# KiCad board vme-wren.kicad_pcb (continued)
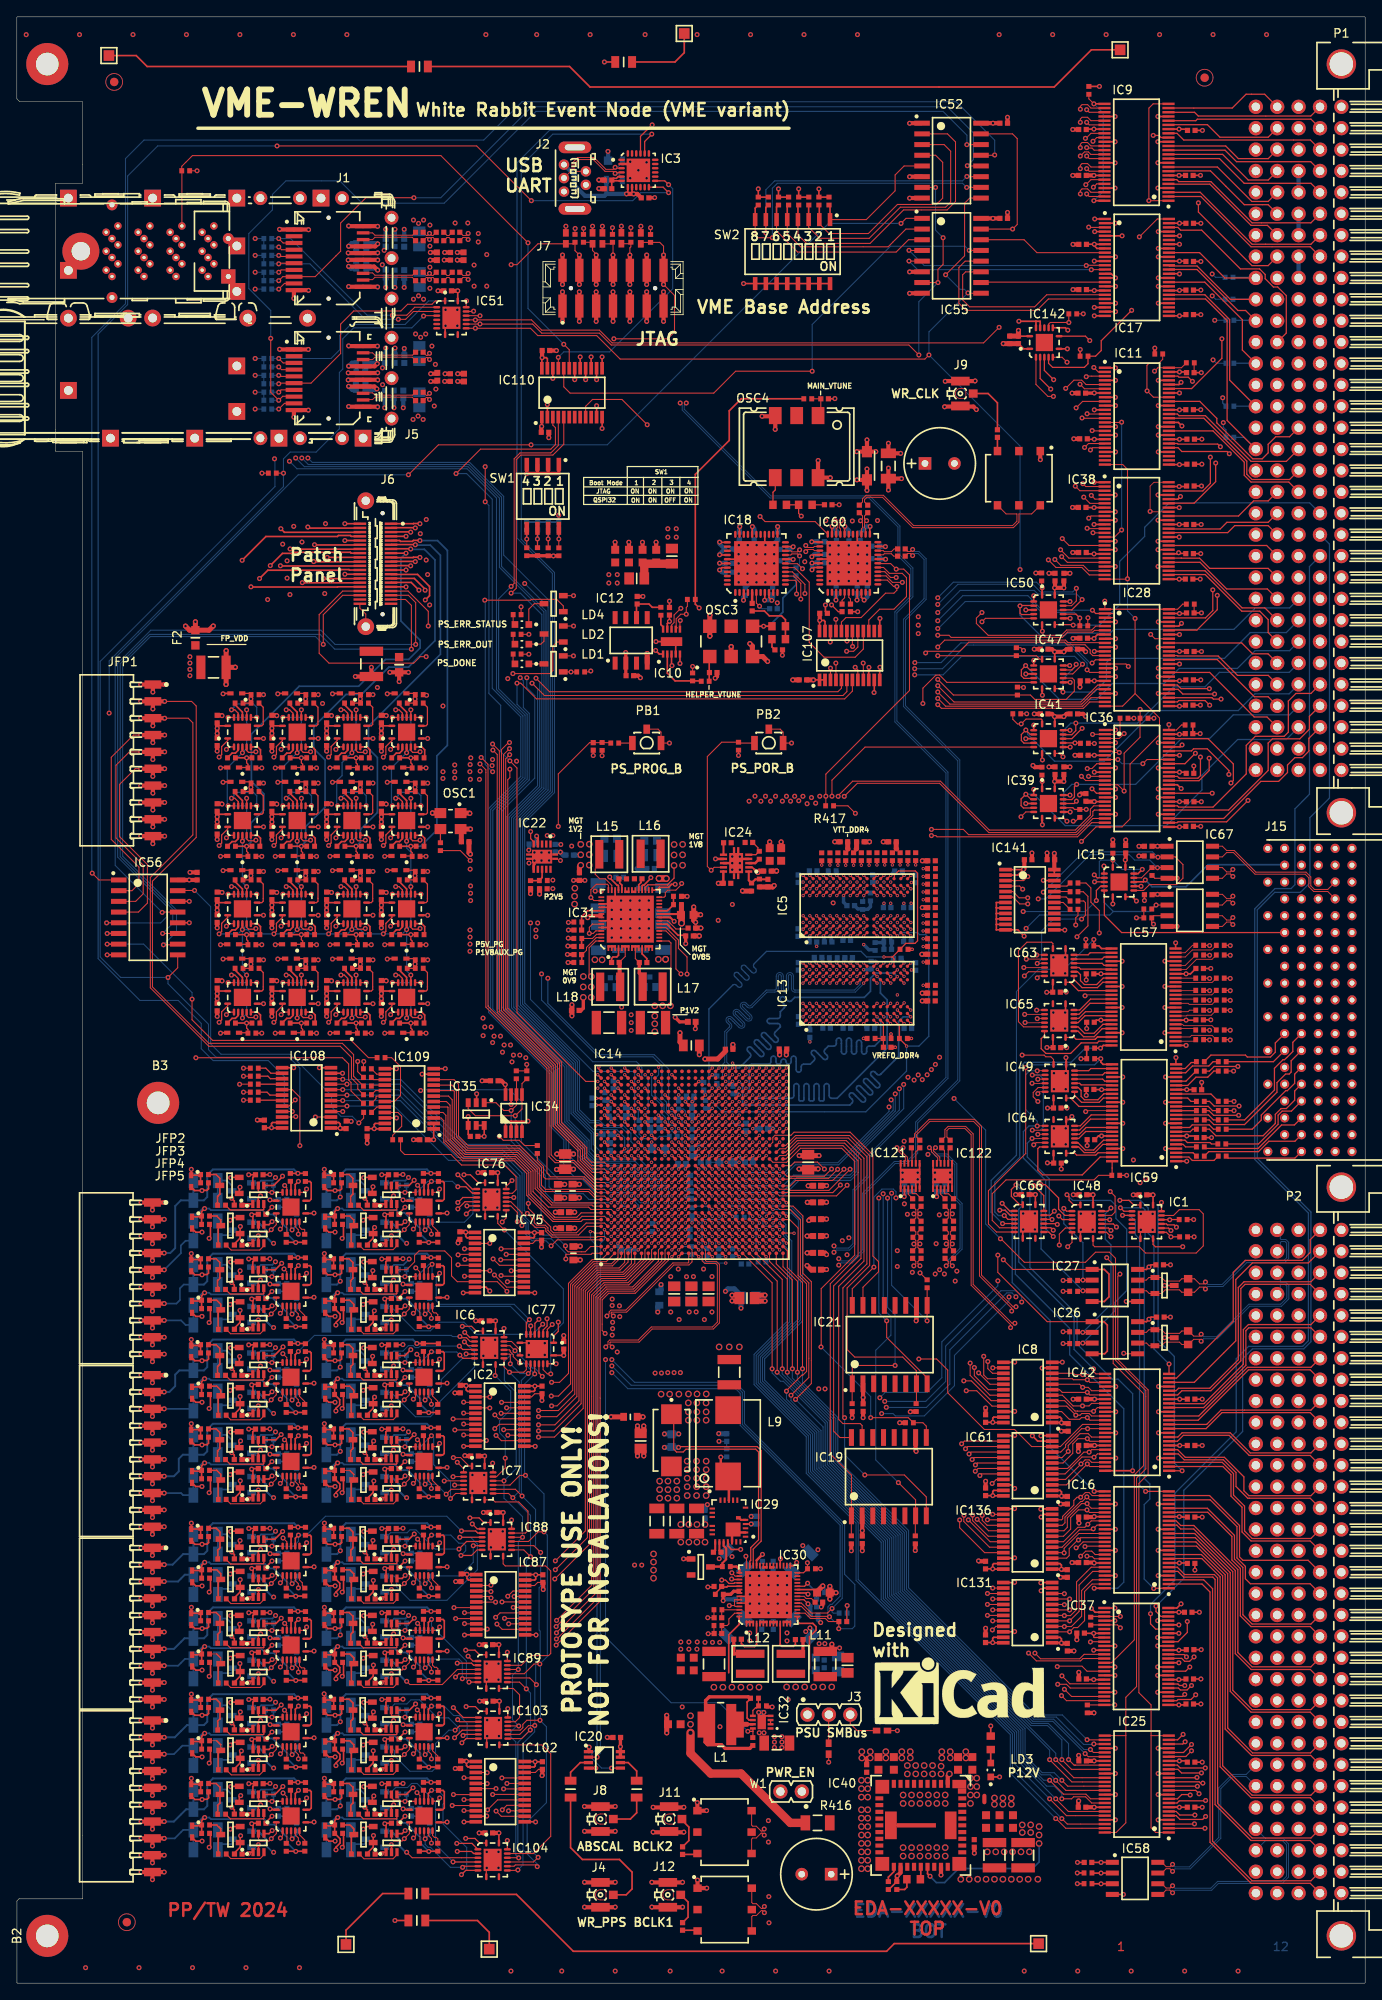
[diagram p0: board, top side]
## Routing (per net, layer and track width the routed paths; a pad name or vN(x,y) marks a point on that pad's centre or on a via; arc(x,y) is an arc through that point) (continued)
  Bottom Layer w0.15: v2(119.81,108.71) 120.14,109.04 128,109.04 v2(128.73,109.76)
/vme_interface/F_HWBYTE.L1_0: length 11.4
  Top Layer w0.15: IC65.15 122.05,112.53 121.65,112.14 121.65,110.95 122.22,110.39 125.15,110.39 126.4,111.64 128.3,111.64 128.51,111.84 IC123.47
/vme_interface/F_HWBYTE.L1_1: length 7.7
  Top Layer w0.15: 128.06,112.07 128.34,112.34 ; 128.06,112.07 128.34,112.34 ; 128.06,112.07 125.8,112.07 125.57,112.29 IC65.1 ; 128.34,112.34 IC123.46 128.34,112.34
/vme_interface/F_HWBYTE.L1_2: length 6.2
  Top Layer w0.15: 128.91,113.34 IC123.44 128.91,113.34 ; 128.91,113.34 127.94,112.37 126.69,112.37 126.02,113.04 IC65.2
/vme_interface/F_HWBYTE.L1_3: length 6.2
  Top Layer w0.15: 128.99,113.84 IC123.43 128.99,113.84 ; 128.99,113.84 127.93,112.79 126.79,112.79 126.04,113.54 IC65.3
/vme_interface/F_HWBYTE.L1_4: length 4.9
  Top Layer w0.15: 129.98,114.87 IC123.41 129.98,114.87 ; 129.98,114.87 126.86,114.87 126.03,114.04 IC65.4
/vme_interface/F_HWBYTE.L1_5: length 4.8
  Top Layer w0.15: IC123.40 126.91,115.34 126.11,114.54 IC65.5
/vme_interface/F_HWBYTE.L1_6: length 5
  Top Layer w0.15: IC65.6 126.14,115.04 127.44,116.34 IC123.38
/vme_interface/F_HWBYTE.L1_7: length 5
  Top Layer w0.15: IC65.7 126.22,115.54 127.52,116.84 IC123.37
/vme_interface/F_HWBYTE.L1_OE_N: length 33.8
  Top Layer w0.15: v2(117.26,91.14) 117.71,90.69 IC66.4
  Top Layer w0.2: R133.1 v2(128.7,111.01) 129.03,111.34 IC123.48
  Bottom Layer w0.15: v2(128.7,111.01) 128.7,111.01 126.89,111.01 125.21,109.34 119.69,109.34 119.11,108.76 119.11,98.06 116.14,95.09 116.14,91.56 116.56,91.14 v2(117.26,91.14)
/vme_interface/F_HWBYTE.L2_0: length 13.4
  Top Layer w0.15: IC59.47 128.66,98.09 126.53,95.96 121.83,95.96 121.25,96.54 121.25,99.09 121.46,99.29 IC64.15
/vme_interface/F_HWBYTE.L2_1: length 5.7
  Top Layer w0.15: IC64.1 125.64,98.54 125.87,98.32 128.14,98.32 128.41,98.59 IC59.46
/vme_interface/F_HWBYTE.L2_2: length 5.1
  Top Layer w0.15: IC59.44 128.99,99.59 128.01,98.62 126.77,98.62 126.09,99.29 IC64.2
/vme_interface/F_HWBYTE.L2_3: length 5.3
  Top Layer w0.15: IC59.43 129.06,100.09 127.89,98.92 126.89,98.92 126.02,99.79 IC64.3
/vme_interface/F_HWBYTE.L2_4: length 4.8
  Top Layer w0.15: IC59.41 130.05,101.12 126.93,101.12 126.11,100.29 IC64.4
/vme_interface/F_HWBYTE.L2_5: length 4.8
  Top Layer w0.15: IC59.40 126.98,101.59 126.18,100.79 IC64.5
/vme_interface/F_HWBYTE.L2_6: length 5
  Top Layer w0.15: IC64.6 126.22,101.29 127.52,102.59 IC59.38
/vme_interface/F_HWBYTE.L2_7: length 5
  Top Layer w0.15: IC64.7 126.29,101.79 127.59,103.09 IC59.37
/vme_interface/F_HWBYTE.L2_OE_N: length 23
  Top Layer w0.125: R171.1 128.47,95.91 127.93,95.38 117.48,95.38 115.84,93.74 115.84,90.56 116.71,89.69 IC66.6
  Top Layer w0.15: 130.1,95.89 130.08,95.91 IC59.48
/vme_interface/HWBYTE.H1_0: length 28
  Top Layer w0.15: R221.2 144.07,117.87 v2(144.11,117.84)
  L8 w0.15: J15.B19 155.31,99.99 150.25,99.99 146.5,103.74 146.5,115.44 v2(144.11,117.84)
/vme_interface/HWBYTE.H1_1: length 31.7
  Top Layer w0.15: R224.2 141.62,117.87 v2(141.66,117.84)
  L5 w0.15: v2(141.66,117.84) 142.18,118.37 147.84,118.37 149.76,116.45 149.76,108.39 150.41,107.74 150.66,107.74 151.34,107.06 151.34,106.73 152.56,105.51 154.88,105.51 154.91,105.49 156.22,105.49 156.24,105.51 156.88,105.51 157.36,105.04 157.36,101.53 J15.B18
/vme_interface/HWBYTE.H1_2: length 35.4
  Top Layer w0.15: R225.2 144.07,119.32 v2(144.11,119.29)
  L5 w0.15: J15.B17 155.79,101.96 155.79,100.42 156.24,99.96 156.88,99.96 157.66,100.73 157.66,105.17 157.01,105.81 153.81,105.81 153.34,106.28 153.34,107.06 152.63,107.77 151.99,107.77 151.34,108.42 151.34,117.06 150.43,117.97 150.24,117.97 149.79,118.42 149.79,118.66 148.93,119.51 145.41,119.51 145.18,119.29 v2(144.11,119.29)
/vme_interface/HWBYTE.H1_3: length 29.1
  Top Layer w0.15: R228.2 141.62,119.32 v2(141.66,119.29)
  L5 w0.15: v2(141.66,119.29) 141.13,118.77 141.13,117.62 141.44,117.32 147.13,117.32 149.46,114.99 149.46,106.74 150.53,105.67 150.73,105.67 151.34,105.06 151.34,104.86 152.36,103.84 155.67,103.84 J15.B16
/vme_interface/HWBYTE.H1_4: length 24.9
  Top Layer w0.15: R229.2 144.07,122.07 v2(144.11,122.04)
  L5 w0.15: J15.B15 155.79,107.51 153.83,107.51 153.34,108.01 153.34,109.06 152.43,109.96 152.23,109.96 151.64,110.56 151.64,118.76 150.58,119.81 146.33,119.81 v2(144.11,122.04)
/vme_interface/HWBYTE.H1_5: length 28.3
  Top Layer w0.15: v2(141.66,122.04) 141.62,122.07 R230.2
  L5 w0.15: J15.B14 155.79,107.96 154.21,107.96 153.64,108.53 153.64,112.66 153.36,112.94 153.36,119.04 152.88,119.51 152.67,119.51 151.41,120.77 151.41,120.99 150.88,121.51 145.38,121.51 144.33,122.57 142.18,122.57 v2(141.66,122.04)
/vme_interface/HWBYTE.H1_6: length 22.6
  Top Layer w0.15: v2(144.11,123.19) 144.07,123.22 R231.2
  L5 w0.15: v2(144.11,123.19) 145.61,123.19 146.98,121.81 152.58,121.81 153.66,120.74 153.66,114.59 154.25,113.99 154.41,113.99 155.79,112.61 155.79,111.51 J15.B13
/vme_interface/HWBYTE.H1_7: length 24.9
  Top Layer w0.15: v2(141.66,123.19) 141.62,123.22 R232.2
  L5 w0.15: v2(141.66,123.19) 142.18,123.72 152.65,123.72 153.31,123.05 153.31,122.43 153.75,121.99 154.37,121.99 155.71,120.66 155.71,113.6 J15.B12
/vme_interface/HWBYTE.H2_0: length 11.6
  Top Layer w0.15: R116.2 141.58,103.59 142.13,103.04 v2(145.11,103.04)
  L3 w0.15: v2(145.11,103.04) 146.26,103.04 J15.E19
/vme_interface/HWBYTE.H2_1: length 8.1
  Top Layer w0.15: R249.2 144.55,103.59 v2(144.56,103.59)
  L3 w0.15: v2(144.56,103.59) 146.62,103.59 149.47,100.74 J15.E18
/vme_interface/HWBYTE.H2_2: length 10.3
  Top Layer w0.15: v2(145.16,104.14) 142.2,104.14 141.64,104.69 R250.2
  L3 w0.15: v2(145.16,104.14) 149.16,104.14 J15.E17
/vme_interface/HWBYTE.H2_3: length 7
  Top Layer w0.15: v2(144.56,104.69) 144.55,104.7 R252.2
  L3 w0.15: v2(144.56,104.69) 144.6,104.74 J15.E16
/vme_interface/HWBYTE.H2_4: length 7.6
  Top Layer w0.15: R256.2 144.5,108.29 v2(144.51,108.29)
  L3 w0.15: v2(144.51,108.29) 149.01,108.29 J15.E15
/vme_interface/HWBYTE.H2_5: length 9.8
  Top Layer w0.15: R257.2 141.63,108.29 142.19,108.85 v2(145.01,108.85)
  L3 w0.15: J15.E14 145.12,108.74 v2(145.01,108.85)
/vme_interface/HWBYTE.H2_6: length 7.5
  Top Layer w0.15: J15.E13 149.23,109.41 R258.2
/vme_interface/HWBYTE.H2_7: length 11.7
  Top Layer w0.15: J15.E12 149.46,111.63 149.46,110.53 148.88,109.96 146.13,109.96 145.91,110.19 141.81,110.19 R259.2
/vme_interface/HWBYTE.L1_0: length 29.7
  Top Layer w0.15: R233.2 141.62,112.02 v2(141.66,111.99)
  L3 w0.15: J15.A19 157.79,97.96 152.24,97.96 151.79,98.42 151.79,108.61 150.88,109.51 144.13,109.51 v2(141.66,111.99)
/vme_interface/HWBYTE.L1_1: length 24
  Top Layer w0.15: v2(144.11,111.99) 144.07,112.02 R234.2
  L3 w0.15: J15.A18 157.79,101.51 153.83,101.51 153.34,102.01 153.34,109.06 152.43,109.96 146.13,109.96 v2(144.11,111.99)
/vme_interface/HWBYTE.L1_2: length 27.4
  Top Layer w0.15: R235.2 141.62,113.17 v2(141.66,113.14)
  L3 w0.15: J15.A17 157.77,101.94 154.27,101.94 153.66,102.55 153.66,110.74 152.88,111.51 148.97,111.51 147.94,112.54 142.81,112.54 142.21,113.14 v2(141.66,113.14)
/vme_interface/HWBYTE.L1_3: length 23.1
  Top Layer w0.15: v2(144.11,113.14) 144.07,113.17 R236.2
  L3 w0.15: J15.A16 157.79,103.96 155.93,103.96 155.56,104.34 155.56,110.84 154.58,111.81 150.39,111.81 149.07,113.14 v2(144.11,113.14)
/vme_interface/HWBYTE.L1_4: length 20.9
  Top Layer w0.15: v2(144.11,115.49) 144.07,115.52 R237.2
  L3 w0.15: J15.A15 157.34,107.96 157.34,111.16 156.53,111.96 156.24,111.96 155.79,112.42 155.79,112.71 154.98,113.51 146.08,113.51 v2(144.11,115.49)
/vme_interface/HWBYTE.L1_5: length 22.7
  Top Layer w0.15: R238.2 141.62,115.52 v2(141.66,115.49)
  L3 w0.15: J15.A14 157.76,109.55 157.76,111.54 157.36,111.94 157.36,113.04 156.58,113.81 148.01,113.81 145.8,116.02 142.18,116.02 v2(141.66,115.49)
/vme_interface/HWBYTE.L1_6: length 19.5
  Top Layer w0.15: R239.2 144.07,116.72 v2(144.11,116.69)
  L3 w0.15: v2(144.11,116.69) 147.71,116.69 148.88,115.51 156.88,115.51 157.66,114.74 157.66,112.43 158.56,111.52 J15.A13
/vme_interface/HWBYTE.L1_7: length 22.2
  Top Layer w0.15: R240.2 141.62,116.72 v2(141.66,116.69)
  L3 w0.15: v2(141.66,116.69) 142.18,117.22 147.61,117.22 149.01,115.81 158.58,115.81 159.34,115.06 159.34,113.51 J15.A12
/vme_interface/HWBYTE.L2_0: length 9.4
  Top Layer w0.15: J15.D19 151.79,97.96 143.86,97.96 R241.2
/vme_interface/HWBYTE.L2_1: length 12.6
  Top Layer w0.15: J15.D18 151.79,99.96 148.69,99.96 147.46,98.73 141.56,98.73 R242.2
/vme_interface/HWBYTE.L2_2: length 13.1
  Top Layer w0.15: J15.D17 151.72,101.89 150.2,101.89 147.41,99.11 141.21,99.11 R243.2
/vme_interface/HWBYTE.L2_3: length 11.7
  Top Layer w0.15: R244.2 147.46,99.64 149.79,101.98 149.79,103.06 150.27,103.54 151.37,103.54 J15.D16
/vme_interface/HWBYTE.L2_4: length 15.7
  Top Layer w0.15: R245.2 141.62,101.39 142.4,100.61 148,100.61 149.46,102.07 149.46,103.15 150.15,103.84 150.76,103.84 151.76,104.83 151.76,105.93 J15.D15
/vme_interface/HWBYTE.L2_5: length 13
  Top Layer w0.15: J15.D14 151.76,107.93 151.76,106.83 150.88,105.96 150.69,105.96 147.79,103.06 147.79,102.48 146.71,101.39 R246.2
/vme_interface/HWBYTE.L2_6: length 16.9
  Top Layer w0.15: R247.2 141.61,102.49 142.16,101.94 145.81,101.94 149.66,105.79 149.66,106.93 150.67,107.94 151.11,107.94 151.34,108.18 151.34,109.51 J15.D13
/vme_interface/HWBYTE.L2_7: length 15.3
  Top Layer w0.15: J15.D12 151.54,111.71 151.54,110.61 150.81,109.89 150.81,109.89 150.56,109.64 150.37,109.64 149.36,108.63 149.36,106.04 145.81,102.49 R248.2
/vme_interface/I_HWBYTE1_D: length 23.1
  Top Layer w0.125: v2(128.55,124.69) 128.55,127.34 127.55,128.34 127.55,130.04 126.97,130.63 R399.2 ; IC63.14 120.16,120.09 v2(119.65,119.59)
  L5 w0.125: v2(119.65,119.59) 119.1,120.14 119.1,121.49 122.15,124.54 125.51,124.54 125.7,124.73 128.52,124.73 v2(128.55,124.69)
/vme_interface/I_HWBYTE1_Q: length 17
  Top Layer w0.125: IC63.9 123.05,123.44 122.89,123.6 119.96,123.6 118.95,122.59 118.95,114.16 119.57,113.54 IC65.14
/vme_interface/I_HWBYTE1_RCLK: length 21.5
  Top Layer w0.1: IC65.12 121.2,114.54 v2(121.18,114.52) ; v2(121.18,121.07) 121.2,121.09 IC63.12
  Top Layer w0.125: R386.2 126.7,128.49 126.9,128.29 126.9,126.79 v2(126.45,126.34)
  L3 w0.125: v2(121.18,114.52) 121.72,115.07 121.72,118.56 122.05,118.89 122.05,120.2 v2(121.18,121.07)
  Bottom Layer w0.125: v2(121.18,121.07) 121.7,121.6 121.7,124.94 123.1,126.34 v2(126.45,126.34)
/vme_interface/I_HWBYTE2_D: length 32.7
  Top Layer w0.125: v2(125.9,124.24) 127.2,125.54 127.2,129.04 126.65,129.59 R396.2 ; IC49.14 121.29,106.34 120.7,105.75 120.7,105.24 v2(121.26,104.69)
  L3 w0.125: v2(125.9,124.24) 125.9,109.98 125.5,109.58 125.5,106.39 123.81,104.69 v2(121.26,104.69)
/vme_interface/I_HWBYTE2_Q: length 18.1
  Top Layer w0.125: IC49.9 123.12,109.67 122.8,109.99 122.2,109.99 122,110.19 v2(119.39,110.19) ; IC64.14 121.06,99.79 120.8,99.54 v2(120.77,99.54)
  L5 w0.125: v2(119.39,110.19) 119.33,110.12 119.33,104.32 121.74,101.91 121.74,100.51 v2(120.77,99.54)
/vme_interface/I_HWBYTE2_RCLK: length 31.4
  Top Layer w0.1: v2(121.26,100.77) 121.27,100.79 IC64.12 ; IC49.12 121.27,107.34 v2(121.26,107.32)
  Top Layer w0.125: v2(125.75,125.64) 125.75,126.49 126.02,126.76 R387.2
  L3 w0.125: v2(121.26,100.77) 121.67,101.19 121.67,103.36 120.5,104.53 120.5,106.09 121.26,106.85 v2(121.26,107.32) 121.85,107.92 121.85,112.79 123.7,114.64 123.7,123.59 v2(125.75,125.64)
/vme_interface/I_IOEXP_RCLK: length 154.2
  Top Layer w0.125: v2(26.91,104.84) R455.2
  Top Layer w0.15: IC48.12 128.84,90.14 130.22,90.14 v2(130.59,89.77) ; IC1.12 136.52,90.15 136.64,90.03 137.44,90.03 v2(137.71,89.76) ; v2(123.56,90.09) 123.48,90.17 121.98,90.17 IC66.12
  L3 w0.125: v2(137.71,89.76) 137.37,90.11 130.92,90.11 v2(130.59,89.77) 130.28,90.09 v2(123.56,90.09) 123,90.09 118.65,85.74 v2(118.65,81.49)
  L5 w0.125: v2(103.26,68.37) 103.24,68.39 96.53,68.39 95.85,67.71 86.48,67.71 83.35,70.84 70.65,70.84 66.71,74.78 66.71,79.22 54.66,91.28 54.66,94.24 53.76,95.13 53.76,97.08 53.16,97.69 31.97,97.69 26.91,102.74 v2(26.91,104.84)
  Bottom Layer w0.125: v2(103.26,68.37) 103.28,68.35 108.02,68.35 110.8,71.14 110.8,75.19 117.58,81.96 118.18,81.96 v2(118.65,81.49)
/vme_interface/I_IOEXP_SCLK: length 197.9
  Top Layer w0.1: v2(119.69,115.02) 122.03,115.02 IC65.11 ; IC49.11 122.1,107.82 v2(120.6,107.82) ; IC64.11 122.1,101.27 v2(120.6,101.27) ; v2(119.89,121.59) 122.04,121.59 IC63.11
  Top Layer w0.125: v2(26.91,105.79) R458.2
  Top Layer w0.15: v2(123.09,89.4) 122.8,89.69 IC66.11 ; v2(137.06,89.36) 136.78,89.65 IC1.11 ; IC48.11 129.65,89.66 v2(129.94,89.37)
  L3 w0.125: v2(119.89,121.59) 120.21,121.26 120.21,115.55 v2(119.69,115.02) 120.29,114.42 120.29,109.61 120.6,109.31 v2(120.6,107.82) ; v2(129.94,89.37) 129.51,88.95 123.54,88.95 v2(123.09,89.4) 119.34,85.65 v2(119.34,80.87) ; 136.63,88.93 130.38,88.93
  L3 w0.15: 130.38,88.93 v2(129.94,89.37) ; v2(137.06,89.36) 136.63,88.93
  L5 w0.125: v2(26.91,105.79) 27.76,104.94 27.76,102.24 32.07,97.94 53.26,97.94 54.01,97.18 54.01,95.24 54.91,94.34 54.91,91.38 66.96,79.33 66.96,74.88 70.76,71.09 83.46,71.09 86.59,67.96 95.75,67.96 96.43,68.64 102.64,68.64 v2(103.07,69.07) ; v2(123.09,89.4) 122.45,90.04 122.45,90.79 120.08,93.17 120.08,100.76 v2(120.6,101.27)
  Bottom Layer w0.125: v2(119.34,80.87) 119.34,81.5 118.62,82.21 116.88,82.21 110.3,75.64 110.3,71.44 107.94,69.08 103.07,69.08 v2(103.07,69.07) ; v2(120.6,107.82) 121.44,107.82 121.9,107.37 121.9,101.64 121.54,101.27 v2(120.6,101.27)
/vme_interface/LVDS_BUNCHCLK1_N: length 17.7
  Top Layer w0.115: J15.B3 155.68,129.86 154.1,129.86 153.67,130.29 153.67,131.34 153.1,131.91 147.15,131.91 144.58,134.48 143.68,134.48 143.17,134.99 IC67.8
/vme_interface/LVDS_BUNCHCLK1_P: length 17.7
  Top Layer w0.115: J15.B4 155.68,129.62 154,129.62 153.43,130.19 153.43,131.24 153,131.67 147.05,131.67 144.48,134.24 143.68,134.24 143.17,133.72 IC67.7
/vme_interface/LVDS_BUNCHCLK2_N: length 13
  Top Layer w0.115: v2(144.41,131.4) 144.12,131.7 143.68,131.7 143.17,131.18 IC67.5
  L3 w0.1: J15.E3 150.56,130.21 150.85,129.92 151.4,129.92 151.47,129.99 151.47,131.34 151.12,131.69 144.7,131.69 v2(144.41,131.4)
/vme_interface/LVDS_BUNCHCLK2_P: length 14
  Top Layer w0.115: IC67.6 143.17,132.45 143.68,131.94 144.12,131.94 v2(144.41,132.23)
  L3 w0.1: v2(144.41,132.23) 144.7,131.95 151.23,131.95 151.73,131.44 151.73,129.89 151.51,129.66 150.85,129.66 150.56,129.37 J15.E4
/vme_interface/LVDS_TURNCLK1_N: length 21.7
  Top Layer w0.115: IC57.8 143.17,129.28 143.68,128.76 144.12,128.76 v2(144.41,129.06)
  L3 w0.1: J15.B7 156.56,122.28 156.15,121.87 155.76,121.87 155.68,121.94 155.68,127.39 155.16,127.92 149.16,127.92 148.3,128.77 144.7,128.77 v2(144.41,129.06)
/vme_interface/LVDS_TURNCLK1_P: length 21.7
  Top Layer w0.115: IC57.7 143.17,128.01 143.68,128.52 144.12,128.52 v2(144.41,128.23)
  L3 w0.1: J15.B8 156.56,121.2 156.15,121.61 155.65,121.61 155.42,121.84 155.42,127.29 155.05,127.66 149.05,127.66 148.2,128.51 144.7,128.51 v2(144.41,128.23)
/vme_interface/LVDS_TURNCLK2_N: length 13.8
  Top Layer w0.115: v2(144.41,125.69) 144.12,125.98 143.68,125.98 143.17,125.47 IC57.5
  L3 w0.1: v2(144.41,125.69) 144.7,125.97 147.34,125.97 149.6,123.71 150.95,123.71 151.42,123.24 151.42,122.14 151.14,121.86 150.79,121.86 150.56,122.08 J15.E7
/vme_interface/LVDS_TURNCLK2_P: length 14.7
  Top Layer w0.115: v2(144.41,126.52) 144.12,126.22 143.68,126.22 143.17,126.74 IC57.6
  L3 w0.1: v2(144.41,126.52) 144.7,126.23 147.44,126.23 149.71,123.97 151.06,123.97 151.68,123.34 151.68,122.04 151.25,121.6 150.76,121.6 150.56,121.4 J15.E8
/vme_interface/P0_OE_N: length 61.4
  Top Layer w0.125: R260.1 v2(130.16,133.34) 130.15,133.33 IC15.1
  Top Layer w0.15: v2(127.99,130.76) 129.13,130.76 IC15.4 ; IC48.4 124.17,90.66 v2(123.74,91.09)
  Top Layer w0.2: IC15.13 133.16,131.74 v2(133.66,132.24) ; v2(133.51,130.24) 133.51,130.24 IC15.10
  L5 w0.15: v2(123.74,91.09) 123.76,91.11 123.76,95.55 126.21,98 126.21,105.55 130.14,109.48 130.14,124.81 127.28,127.67 127.28,130.06 v2(127.99,130.76)
  Bottom Layer w0.125: v2(127.99,130.76) 128.55,131.33 128.55,133.18 128.71,133.34 v2(130.16,133.34) 131.26,132.24 v2(133.66,132.24)
  Bottom Layer w0.2: 132.66,132.24 132.66,130.61 133.04,130.24 v2(133.51,130.24)
/vme_interface/RS485_DATA0_DE: length 22.4
  Top Layer w0.15: IC27.3 126.04,82.2 R121.2 ; v2(121.64,94.81) 122.14,94.81 123.72,93.23 123.72,91.89 124.46,91.16 IC48.3
  Bottom Layer w0.15: v2(126.61,82.2) 121.64,87.18 v2(121.64,94.81)
/vme_interface/RS485_DATA0_N: length 23.9
  Top Layer w0.115: R87.2 138.35,83.63 138.08,83.36 136.37,83.36 135.94,83.78 D30.1 134.44,83.78 134.13,83.47 IC27.7 ; R87.2 139.85,83.63 140.46,83.02 140.93,83.02 v2(141.15,83.25) ; R87.2 138.95,83.78
  Bottom Layer w0.115: v2(141.15,83.25) 141.45,82.95 143.13,82.95 145.96,85.79 150.46,85.79 150.8,86.13 150.8,87.86 150.61,88.06 150.17,88.06 150.05,87.94 150.05,87.27 149.68,86.9
/vme_interface/RS485_DATA0_P: length 24.7
  Top Layer w0.115: v2(141.15,82.42) 140.93,82.64 140.46,82.64 139.85,82.03 R87.1 ; IC27.6 134.16,82.2 134.48,81.88 D30.2 135.94,81.88 136.38,82.32 138.07,82.32 138.35,82.03 R87.1 ; 138.95,81.88 R87.1
  Bottom Layer w0.115: v2(141.15,82.42) 141.45,82.71 143.23,82.71 146.06,85.55 150.56,85.55 151.04,86.03 151.04,87.96 150.71,88.3 150.14,88.3 150.05,88.38 150.05,89.07 149.68,89.44
/vme_interface/RS485_DATA0_RE_N: length 12.4
  Top Layer w0.15: v2(124.34,91.99) 124.66,91.66 IC48.2
  Top Layer w0.2: R69.1 126.01,83.47 IC27.2 127.66,83.43
  Bottom Layer w0.15: v2(126.61,83.47) 126.61,87.91 124.34,90.19 v2(124.34,91.99)
/vme_interface/RS485_DATA1_DE: length 29.4
  Top Layer w0.15: R68.2 126.03,76 v2(126.59,76) IC26.3 ; IC48.1 125.51,92.41 124.96,92.96 124.96,93.36 v2(124.71,93.61)
  Bottom Layer w0.15: v2(126.59,76) 130.41,79.82 130.41,80.84 131.8,82.23 131.8,89.52 130.52,90.8 130.52,92.33 129.91,92.94 125.39,92.94 v2(124.71,93.61)
/vme_interface/RS485_DATA1_N: length 24
  Top Layer w0.115: v2(140.65,77.05) 140.43,76.82 139.76,76.82 139.15,77.43 R88.2 138.35,77.43 138.07,77.15 136.38,77.15 135.94,77.58 D29.1 ; 135.15,77.58 134.44,77.58 134.13,77.27 IC26.7
  Bottom Layer w0.115: v2(140.65,77.05) 140.95,76.75 142.47,76.75 146.32,80.61 150.08,80.61 150.82,81.35 150.82,82.76 150.61,82.97 150.17,82.97 150.05,82.86 150.05,82.18 P2.C4
/vme_interface/RS485_DATA1_P: length 24.8
  Top Layer w0.115: 135.15,75.68 134.48,75.68 134.16,76 IC26.6 ; v2(140.65,76.22) 140.43,76.44 139.76,76.44 139.15,75.83 R88.1 138.35,75.83 138.08,76.11 136.37,76.11 135.94,75.68 D29.2
  Bottom Layer w0.115: v2(140.65,76.22) 140.95,76.51 142.57,76.51 146.42,80.37 150.18,80.37 151.06,81.25 151.06,82.86 150.71,83.21 150.14,83.21 150.05,83.3 150.05,83.98 P2.C3
/vme_interface/RS485_DATA1_RE_N: length 19.8
  Top Layer w0.15: IC48.15 129.56,91.66 v2(129.94,92.04) ; IC26.2 v2(126.59,77.27) 126.04,77.27 R117.1
  Bottom Layer w0.15: v2(129.94,92.04) 129.26,91.36 129.26,88.34 129.94,87.66 129.94,80.62 v2(126.59,77.27)
/vme_interface/TTC_DATA0_N: length 20.6
  Top Layer w0.115: IC58.8 135.98,14.34 136.49,13.83 136.98,13.83 v2(137.25,14.1)
  Bottom Layer w0.115: P2.D26 145.99,24.78 144.33,24.78 142.74,23.2 142.74,17.3 139.25,13.81 137.55,13.81 v2(137.25,14.1)
/vme_interface/TTC_DATA0_P: length 20.6
  Top Layer w0.115: v2(137.25,13.27) 136.94,13.59 136.49,13.59 135.98,13.07 IC58.7
  Bottom Layer w0.115: P2.D27 145.99,24.54 144.43,24.54 142.98,23.1 142.98,17.2 139.35,13.57 137.55,13.57 v2(137.25,13.27)
/vme_interface/TTC_DATA1_N: length 25.2
  Top Layer w0.115: 137.24,10.74 136.93,11.05 136.48,11.05 135.97,10.54 135.49,10.54
  Bottom Layer w0.115: P2.D29 148.29,17.16 150.39,17.16 151.02,16.53 151.02,12.59 150.27,11.84 142.7,11.84 141.89,11.03 137.55,11.03 v2(137.25,10.73)
/vme_interface/TTC_DATA1_P: length 24.4
  Top Layer w0.115: 135.49,11.81 135.97,11.81 136.48,11.29 136.97,11.29 137.24,11.57
  Bottom Layer w0.115: v2(137.25,11.56) 137.55,11.27 141.79,11.27 142.6,12.08 150.17,12.08 150.78,12.69 150.78,16.43 150.29,16.92 148.29,16.92 P2.D30
/vme_interface/TTL_BUNCHCLK1: length 27.8
  Top Layer w0.2: IC15.8 132.46,128.99 v2(132.96,128.49)
  L5 w0.15: v2(132.96,128.49) 132.96,128.54 138.26,133.84 155.47,133.84 J15.B2
/vme_interface/TTL_BUNCHCLK2: length 19.5
  Top Layer w0.2: IC15.11 132.68,130.76 133.79,130.76 v2(134.01,130.99)
  Bottom Layer w0.2: v2(134.01,130.99) 134.81,130.19 138.86,130.19 141.47,132.8 150.5,132.8 J15.E2
/vme_interface/TTL_TURNCLK1: length 33
  Top Layer w0.15: v2(127.96,131.59) 128.3,131.24 IC15.3
  L5 w0.15: J15.B6 155.81,125.49 154.51,125.49 153.31,126.68 153.31,127.05 152.85,127.51 132.04,127.51 127.96,131.59 v2(127.96,131.59)
/vme_interface/TTL_TURNCLK2: length 25.2
  Top Layer w0.15: J15.E6 131.2,124.74 129.15,126.79 IC15.6
/vme_interface/vme_buffers_addr/VMEPX.A1: length 23.8
  Top Layer w0.15: P1.A30 153.44,147.8 153.44,146.28 152.67,145.51 151.78,145.51 150.9,144.63 150.9,143.74 149.85,142.69 147.74,142.69 143.33,138.29 IC36.27
/vme_interface/vme_buffers_addr/VMEPX.A2: length 25.9
  Top Layer w0.15: IC36.29 143.91,139.29 148.61,143.99 148.61,147.24 149.1,147.74 152.36,147.74 153.5,148.88 153.5,150.4 P1.A29
/vme_interface/vme_buffers_addr/VMEPX.A3: length 28.2
  Top Layer w0.15: IC36.30 137.83,139.79 137.98,139.64 142.07,139.64 146,143.58 146,146.96 147.08,148.04 150.51,148.04 151,148.53 151,152.23 151.9,153.13 153.69,153.13 P1.A28
/vme_interface/vme_buffers_addr/VMEPX.A4: length 20.3
  Top Layer w0.15: IC28.26 137.84,152.13 137.99,152.28 141.12,152.28 v2(141.66,151.74)
  L3 w0.15: v2(141.66,151.74) 143.16,151.74 147.09,155.67 153.69,155.67 P1.A27
/vme_interface/vme_buffers_addr/VMEPX.A5: length 21.8
  Top Layer w0.15: v2(143.01,152.46) 142.1,152.46 141.93,152.63 IC28.27
  L3 w0.15: P1.A26 153.69,158.21 147.09,158.21 143.01,154.13 v2(143.01,152.46)
/vme_interface/vme_buffers_addr/VMEPX.A6: length 24.5
  Top Layer w0.15: v2(142.24,153.06) 138.48,153.06 137.91,153.63 IC28.29
  L3 w0.15: P1.A25 153.3,160.36 144.96,160.36 142.24,157.64 v2(142.24,153.06)
/vme_interface/vme_buffers_addr/VMEPX.A7: length 25
  Top Layer w0.15: IC28.30 137.83,154.13 138.26,153.7 v2(141.62,153.7)
  L3 w0.15: P1.A24 153.56,163.16 146.96,163.16 141.62,157.82 v2(141.62,153.7)
/vme_interface/vme_buffers_addr/VMEPX.A8: length 15.6
  Top Layer w0.15: P1.C30 148.47,150.34 146.95,150.34 141.66,155.63 IC28.33
/vme_interface/vme_buffers_addr/VMEPX.A9: length 15.1
  Top Layer w0.15: P1.C29 148.61,152.74 146.97,152.74 142.56,157.15 136.84,157.15 IC28.36
/vme_interface/vme_buffers_addr/VMEPX.A10: length 14.3
  Top Layer w0.15: P1.C28 148.61,155.28 144.96,155.28 142.67,157.57 137.88,157.57 137.83,157.63 IC28.37
/vme_interface/vme_buffers_addr/VMEPX.A11: length 13.9
  Top Layer w0.15: P1.C27 148.59,157.83 146.76,157.83 145.47,159.13 IC28.40
/vme_interface/vme_buffers_addr/VMEPX.A12: length 17.1
  Top Layer w0.15: P1.C26 148.61,160.36 148.61,161.9 147.61,162.9 145.48,162.9 141.13,167.25 136.83,167.25 136.79,167.2
/vme_interface/vme_buffers_addr/VMEPX.A13: length 15.3
  Top Layer w0.15: P1.C25 148.22,163.29 145.51,163.29 141.1,167.7 136.79,167.7
/vme_interface/vme_buffers_addr/VMEPX.A14: length 14.7
  Top Layer w0.15: 136.79,168.7 140.52,168.7 143.68,165.54 148.51,165.54 P1.C24
/vme_interface/vme_buffers_addr/VMEPX.A15: length 13.8
  Top Layer w0.15: 136.79,169.2 138.29,169.2 138.3,169.2 140.46,169.2 141.67,167.98 148.61,167.98 P1.C23
/vme_interface/vme_buffers_addr/VMEPX.A16: length 13.4
  Top Layer w0.15: 136.79,170.7 148.43,170.7 P1.C22
/vme_interface/vme_buffers_addr/VMEPX.A17: length 13.7
  Top Layer w0.15: 136.79,172.2 136.81,172.22 143.8,172.22 144.64,173.06 148.61,173.06 P1.C21
/vme_interface/vme_buffers_addr/VMEPX.A18: length 13.7
  Top Layer w0.15: 136.79,172.7 136.83,172.66 142.91,172.66 143.7,173.45 148.61,173.45 P1.C20
/vme_interface/vme_buffers_addr/VMEPX.A19: length 14.1
  Top Layer w0.15: P1.C19 148.61,175.99 146.87,175.99 145.08,174.2 136.79,174.2
/vme_interface/vme_buffers_addr/VMEPX.A20: length 47.6
  Top Layer w0.15: v2(141.96,141.29) IC36.33
  L5 w0.15: P1.C18 148.61,178.53 147.08,178.53 144.44,175.89 144.44,145.23 141.96,142.75 v2(141.96,141.29)
/vme_interface/vme_buffers_addr/VMEPX.A21: length 47.7
  Top Layer w0.15: IC36.36 136.84,142.77 140.39,142.77 141.6,143.98 v2(141.6,145.44)
  L5 w0.15: v2(141.6,145.44) 144.14,147.97 144.14,178.12 146.7,180.68 148.22,180.68 P1.C17
/vme_interface/vme_buffers_addr/VMEPX.A22: length 50.1
  Top Layer w0.15: v2(140.56,145.58) 140.56,143.36 140.27,143.07 138.05,143.07 137.83,143.29 IC36.37
  L5 w0.15: v2(140.56,145.58) 143.84,148.85 143.84,180.7 146.75,183.61 148.61,183.61 P1.C16
/vme_interface/vme_buffers_addr/VMEPX.A23: length 50.1
  Top Layer w0.15: IC36.40 138.72,144.79 v2(139.96,146.03)
  L5 w0.15: v2(139.96,146.03) 143.54,149.6 143.54,180.82 143.47,180.89 143.47,183.06 146.53,186.13 148.59,186.13 P1.C15
/vme_interface/vme_buffers_addr/VMEPX.A24: length 51.2
  Top Layer w0.15: IC37.40 137.91,40.54 139,41.64 v2(139,42.94)
  L3 w0.15: v2(139,42.94) 139,68.44 143.9,73.34 143.9,78.34 146.3,80.74 151.15,80.74 P2.B4
